# Allegro board SDHCalFEB.brd (continued)
## Routing (per net, layer and track width the routed paths; a pad name or vN(x,y) marks a point on that pad's centre or on a via; arc(x,y) is an arc through that point) (continued)
  TOP w0.127: U455.20 120.7,218.16 119.79,217.25 108.03,217.25 106.3,218.97 C554.2
ANALOGIN32_ASIC_C1: length 18.9
  TOP w0.127: C728.2 266.56,138.98 268.54,137.01 279.5,137.01 280.64,138.15 U585.20
ANALOGIN32_ASIC_C2: length 18.7
  TOP w0.127: C815.2 186.72,138.96 188.39,137.29 200.61,137.29 201.47,138.15 U650.20
ANALOGIN32_ASIC_C3: length 18.7
  TOP w0.127: C902.2 107.69,137.26 119.63,137.26 120.52,138.15 U715.20
ANALOGIN32_ASIC_D1: length 18.8
  TOP w0.127: U845.20 280.82,58.14 279.88,57.2 267.7,57.2 265.97,58.93 C1076.2
ANALOGIN32_ASIC_D2: length 18.8
  TOP w0.127: U910.20 200.73,58.14 199.72,57.12 188.67,57.12 186.82,58.97 C1163.2
ANALOGIN32_ASIC_D3: length 18.9
  TOP w0.127: C1250.2 105.97,58.94 107.86,57.05 119.96,57.05 121.06,58.14 U975.20
ANALOGIN33_ASIC_A1: length 18.7
  TOP w0.127: C33.2 265.21,296.26 265.71,296.75 282.24,296.75 282.37,296.87 U65.22
ANALOGIN33_ASIC_A2: length 18.6
  TOP w0.127: C120.2 185.81,296.25 186.31,296.75 202.51,296.75 202.64,296.87 U130.22
ANALOGIN33_ASIC_A3: length 18.5
  TOP w0.127: U195.22 107.08,296.87 106.67,296.46 C207.2
ANALOGIN33_ASIC_B1: length 20.1
  TOP w0.127: U325.22 282.6,216.86 282.6,216.86 C381.2
ANALOGIN33_ASIC_B5: length 18.6
  TOP w0.127: C468.2 185.82,216.18 186.44,216.79 201.65,216.79 201.72,216.86 U390.22
ANALOGIN33_ASIC_B6: length 18.6
  TOP w0.127: U455.22 121.51,216.86 121.36,216.71 105.57,216.71 C555.2
ANALOGIN33_ASIC_C1: length 18.7
  TOP w0.127: U585.22 280.41,136.85 280.04,136.47 266.32,136.47 266.01,136.17 C729.2
ANALOGIN33_ASIC_C2: length 18.7
  TOP w0.127: U650.22 201.24,136.85 201.09,136.7 186.66,136.7 186.13,136.17 C816.2
ANALOGIN33_ASIC_C3: length 18.6
  TOP w0.127: U715.22 120.31,136.85 120.19,136.73 105.77,136.73 C903.2
ANALOGIN33_ASIC_D1: length 18.7
  TOP w0.127: C1077.2 279.79,56.2 280.44,56.84 U845.22
ANALOGIN33_ASIC_D2: length 18.6
  TOP w0.127: C1164.2 200.1,56.18 200.76,56.84 U910.22
ANALOGIN33_ASIC_D3: length 18.6
  TOP w0.127: C1251.2 120.24,56.18 120.9,56.84 U975.22
ANALOGIN34_ASIC_A1: length 22.9
  TOP w0.127: U65.23 267.11,296.22 263.41,292.52 C34.2
ANALOGIN34_ASIC_A2: length 23
  TOP w0.127: U130.23 202.59,296.22 202.59,296.21 187.86,296.21 186.46,294.82 184.89,294.82 182.25,292.18 C121.2
ANALOGIN34_ASIC_A3: length 23
  TOP w0.127: U195.23 107.9,296.22 106.05,294.36 104.15,294.36 C208.2
ANALOGIN34_ASIC_A4: length 12.5
  TOP w0.127: C295.2 31.05,296.22 U260.23
ANALOGIN34_ASIC_B1: length 25.5
  TOP w0.127: U325.23 264.62,216.21 260.88,212.47 C382.2
ANALOGIN34_ASIC_B5: length 22.9
  TOP w0.127: U390.23 187.84,216.21 186.56,214.93 184.67,214.93 182.24,212.5 C469.2
ANALOGIN34_ASIC_B6: length 22.6
  TOP w0.127: U455.23 107.57,216.21 105.82,214.45 104.25,214.45 C556.2
ANALOGIN34_ASIC_B7: length 14.7
  TOP w0.127: U520.23 28.94,216.21 C643.2
ANALOGIN34_ASIC_C1: length 23
  TOP w0.127: U585.23 280.68,136.2 280.39,135.92 267.67,135.92 266.55,134.8 264.72,134.8 C730.2
ANALOGIN34_ASIC_C2: length 22.9
  TOP w0.127: C817.2 182.36,132.31 184.55,134.49 185.8,134.49 187.4,136.09 201.35,136.09 201.45,136.2 U650.23
ANALOGIN34_ASIC_C3: length 22.9
  TOP w0.127: U715.23 107.47,136.2 105.64,134.37 104.18,134.37 102.25,132.44 C904.2
ANALOGIN34_ASIC_C4: length 13.8
  TOP w0.127: C991.2 29.8,136.2 U780.23
ANALOGIN35_ASIC_A1: length 16.4
  TOP w0.127: C35.2 269.87,295.57 U65.24
ANALOGIN35_ASIC_A2: length 15.1
  TOP w0.127: C122.2 189.31,293.7 191.18,295.57 U130.24
ANALOGIN35_ASIC_A3: length 15.3
  TOP w0.127: U195.24 110.98,295.57 C209.2
ANALOGIN35_ASIC_B1: length 18.1
  TOP w0.127: C383.2 268.12,215.56 U325.24
ANALOGIN35_ASIC_B5: length 14.6
  TOP w0.127: U390.24 191.46,215.56 C470.2
ANALOGIN35_ASIC_B6: length 14.6
  TOP w0.127: U455.24 111.6,215.56 C557.2
ANALOGIN35_ASIC_C1: length 14.6
  TOP w0.127: C731.2 271.43,135.41 280.92,135.41 281.07,135.55 U585.24
ANALOGIN35_ASIC_C2: length 14.6
  TOP w0.127: U650.24 191.61,135.55 C818.2
ANALOGIN35_ASIC_C3: length 14.6
  TOP w0.127: C905.2 111.6,135.55 U715.24
ANALOGIN35_ASIC_D1: length 11.6
  TOP w0.127: C1079.2 272.8,53.76 274.58,55.54 U845.24
ANALOGIN35_ASIC_D2: length 12.4
  TOP w0.127: U910.24 200.88,55.54 200.55,55.22 C1166.2
ANALOGIN35_ASIC_D3: length 11.5
  TOP w0.127: U975.24 114.62,55.54 C1253.2
ANALOGIN35_ASIC_D4: length 12.6
  TOP w0.127: C1340.2 36.11,52.45 39.21,55.54 U1040.24
ANALOGIN36_ASIC_A1: length 14.4
  TOP w0.127: U65.25 274.47,294.92 271.56,292.01 C36.2
ANALOGIN36_ASIC_A2: length 15.6
  TOP w0.127: C123.2 191.4,291.96 194.36,294.92 U130.25
ANALOGIN36_ASIC_A3: length 16.2
  TOP w0.127: U195.25 113.97,294.92 111.79,292.74 111.79,290.35 111,289.56 C210.2
ANALOGIN36_ASIC_A4: length 28.2
  TOP w0.127: C297.2 33.9,294.92 U260.25
ANALOGIN36_ASIC_B1: length 17.2
  TOP w0.127: C384.2 270.05,210.49 274.47,214.91 U325.25
ANALOGIN36_ASIC_B5: length 14.2
  TOP w0.127: C471.2 191.42,211.39 194.94,214.91 U390.25
ANALOGIN36_ASIC_B6: length 14.1
  TOP w0.127: U455.25 114.96,214.91 111.48,211.43 C558.2
ANALOGIN36_ASIC_B7: length 28.8
  TOP w0.127: C645.2 21.28,199.21 36.97,214.91 U520.25
ANALOGIN36_ASIC_C1: length 14.1
  TOP w0.127: U585.25 275.08,134.9 271.63,131.45 C732.2
ANALOGIN36_ASIC_C2: length 14.2
  TOP w0.127: C819.2 191.47,131.37 195,134.9 U650.25
ANALOGIN36_ASIC_C3: length 14.3
  TOP w0.127: U715.25 114.86,134.9 111.48,131.53 C906.2
ANALOGIN36_ASIC_C4: length 28
  TOP w0.127: U780.25 36.97,134.9 21.89,119.81 C993.2
ANALOGIN37_ASIC_A1: length 48.4
  TOP w0.127: v2(285.83,294.27) U65.26 ; v2(330.28,295.21) C37.2
  GND1 w0.127: v2(285.83,294.27) v3(286.56,294.27) ; v2(330.28,295.21) v3(329.54,295.21)
  SIG3 w0.127: v3(329.54,295.21) 320.23,295.21 319.74,295.71 315.77,295.71 314.81,294.74 287.03,294.74 v3(286.56,294.27)
ANALOGIN37_ASIC_A2: length 52.2
  TOP w0.127: C124.2 v2(251.14,296.55) ; v2(204.76,294.27) U130.26
  GND1 w0.127: v3(205.5,294.27) v2(204.76,294.27) ; v2(251.14,296.55) v3(251.14,297.28)
  SIG3 w0.127: v3(205.5,294.27) 209.45,298.22 233.32,298.22 233.93,298.83 249.59,298.83 v3(251.14,297.28)
ANALOGIN37_ASIC_A3: length 49.4
  TOP w0.127: C211.2 170.68,298.09 v2(169.7,298.09) ; v2(124.75,294.27) U195.26
  GND1 w0.127: v2(169.7,298.09) v3(168.96,298.09) ; v2(124.75,294.27) v3(125.49,294.27)
  SIG3 w0.127: v3(168.96,298.09) 168.17,298.88 154.66,298.88 154.03,298.25 129.47,298.25 v3(125.49,294.27)
ANALOGIN37_ASIC_A4: length 50.6
  TOP w0.127: C298.2 v2(90.61,293.71) ; v2(44.74,294.27) U260.26
  GND1 w0.127: v2(90.61,293.71) v3(89.88,293.71) ; v3(45.48,294.27) v2(44.74,294.27)
  SIG3 w0.127: v3(89.88,293.71) 86.49,297.1 76.58,297.1 75.23,295.76 46.97,295.76 v3(45.48,294.27)
ANALOGIN37_ASIC_B1: length 48.1
  TOP w0.127: v2(328.75,216.71) 329.7,216.71 C385.2 ; v2(284.84,214.26) U325.26
  GND1 w0.127: v2(328.75,216.71) v3(328.02,216.71) ; v2(284.84,214.26) v3(285.57,214.26)
  SIG3 w0.127: v3(285.57,214.26) 288.61,217.3 315.62,217.3 316.78,216.13 327.44,216.13 v3(328.02,216.71)
ANALOGIN37_ASIC_B5: length 54.1
  TOP w0.127: C472.2 v2(253.72,217.14) ; v2(204.76,214.26) U390.26
  GND1 w0.127: v3(205.5,214.26) v2(204.76,214.26) ; v2(253.72,217.14) v3(253.72,217.91)
  SIG3 w0.127: v3(253.72,217.91) 252.94,218.69 241.02,218.69 240.56,218.24 209.48,218.24 v3(205.5,214.26)
ANALOGIN37_ASIC_B6: length 52.4
  TOP w0.127: v2(124.75,214.26) U455.26 ; C559.2 v2(173.71,214.15)
  GND1 w0.127: v2(173.71,214.15) v3(172.97,214.15) ; v3(125.49,214.26) v2(124.75,214.26)
  SIG3 w0.127: v3(172.97,214.15) 171.4,215.72 152.86,215.72 151.39,214.26 v3(125.49,214.26)
ANALOGIN37_ASIC_B7: length 54.1
  TOP w0.127: C646.2 v2(93.14,218.64) ; v2(44.74,214.26) U520.26
  GND1 w0.127: v2(93.14,218.64) v3(93.14,217.91) ; v3(45.48,214.26) v2(44.74,214.26)
  SIG3 w0.127: v3(45.48,214.26) 50.68,219.46 91.59,219.46 v3(93.14,217.91)
ANALOGIN37_ASIC_C1: length 46.3
  TOP w0.127: C733.2 v2(328.1,136.17) ; v2(284.78,134.25) U585.26
  GND1 w0.127: v2(328.1,136.17) v3(327.36,136.17) ; v3(285.51,134.25) v2(284.78,134.25)
  SIG3 w0.127: v3(327.36,136.17) 327.23,136.04 313.82,136.04 312.02,134.25 v3(285.51,134.25)
ANALOGIN37_ASIC_C2: length 52.2
  TOP w0.127: v2(204.76,134.25) U650.26 ; C820.2 v2(251.92,138.1)
  GND1 w0.127: v2(204.76,134.25) v3(205.5,134.25) ; v2(251.92,138.1) v3(251.18,138.1)
  SIG3 w0.127: v3(251.18,138.1) 249.87,139.42 210.67,139.42 v3(205.5,134.25)
ANALOGIN37_ASIC_C3: length 52.3
  TOP w0.127: v2(124.75,134.25) U715.26 ; C907.2 v2(172.09,137.9)
  GND1 w0.127: v3(125.49,134.25) v2(124.75,134.25) ; v2(172.09,137.9) v3(171.17,137.9)
  SIG3 w0.127: v3(171.17,137.9) 169.63,139.45 130.69,139.45 v3(125.49,134.25)
ANALOGIN37_ASIC_C4: length 51.9
  TOP w0.127: C994.2 v2(90.65,133.71) ; v2(44.74,134.25) U780.26
  GND1 w0.127: v3(45.48,134.25) v2(44.74,134.25) ; v2(90.65,133.71) v3(90.13,134.23)
  SIG3 w0.127: v3(90.13,134.23) 85.78,138.58 76.43,138.58 75.95,138.1 49.33,138.1 v3(45.48,134.25)
ANALOGIN38_ASIC_A1: length 43.5
  TOP w0.127: v2(320.5,294.02) C38.2 ; U65.27 v2(282.41,293.62)
  GND1 w0.127: v2(320.5,294.02) v3(320.5,293.28) ; v3(281.67,293.62) v2(282.41,293.62)
  SIG3 w0.127: v3(281.67,293.62) 304.32,293.62 305.79,292.15 311.71,292.15 312.84,293.28 v3(320.5,293.28)
ANALOGIN38_ASIC_A2: length 43.4
  TOP w0.127: v2(202.4,293.62) U130.27 ; C125.2 v2(240.49,293.95)
  GND1 w0.127: v2(202.4,293.62) v3(203.14,293.62) ; v2(240.49,293.95) 240.66,293.78 240.85,293.78 240.88,293.75 v3(241.13,293.75)
  SIG3 w0.127: v3(241.13,293.75) 240.27,294.61 237.11,294.61 235.86,295.86 222.35,295.86 220.11,293.62 v3(203.14,293.62)
ANALOGIN38_ASIC_A3: length 43.5
  TOP w0.127: C212.2 v2(160.43,298.08) ; v2(122.39,293.62) U195.27
  GND1 w0.127: v2(122.39,293.62) v3(121.65,293.62) ; v2(160.43,298.08) v3(159.69,298.08)
  SIG3 w0.127: v3(121.65,293.62) 128.01,293.62 130.3,295.91 154.66,295.91 156.83,298.08 v3(159.69,298.08)
ANALOGIN38_ASIC_A4: length 43.2
  TOP w0.127: v2(42.32,293.62) U260.27 ; C299.2 v2(80.68,293.67)
  GND1 w0.127: v2(42.32,293.62) v3(41.58,293.62) ; v2(80.68,293.67) v3(80.68,294.41)
  SIG3 w0.127: v3(80.68,294.41) 75.97,294.41 75.03,293.47 73.33,293.47 73.18,293.62 v3(41.58,293.62)
ANALOGIN38_ASIC_B1: length 43.1
  TOP w0.127: v2(282.41,213.61) 283.59,213.61 U325.27 ; C386.2 v2(319.2,215.06)
  GND1 w0.127: v2(319.2,215.06) v3(319.94,215.06) ; v2(282.41,213.61) v3(281.68,213.61)
  SIG3 w0.127: v3(319.94,215.06) 319.36,215.64 316.73,215.64 315.9,214.81 288.85,214.81 287.65,213.61 v3(281.68,213.61)
ANALOGIN38_ASIC_B5: length 50.8
  TOP w0.127: v2(202.4,213.61) U390.27 ; C473.2 v2(246.16,217.12)
  GND1 w0.127: v2(246.16,217.12) v3(246.16,217.86) ; v2(202.4,213.61) v3(201.66,213.61)
  SIG3 w0.127: v3(246.16,217.86) 244.17,215.87 233.6,215.87 231.34,213.61 v3(201.66,213.61)
ANALOGIN38_ASIC_B6: length 46.2
  TOP w0.127: v2(122.39,213.61) U455.27 ; C560.2 v2(163.65,214.15)
  GND1 w0.127: v2(163.65,214.15) v3(162.92,214.15) ; v2(122.39,213.61) v3(121.65,213.61)
  SIG3 w0.127: v3(162.92,214.15) 161.84,213.08 157.15,213.08 155.85,214.38 152.48,214.38 151.71,213.61 v3(121.65,213.61)
ANALOGIN38_ASIC_B7: length 44.6
  TOP w0.127: C647.2 v2(83.03,218.01) ; v2(42.38,213.61) U520.27
  GND1 w0.127: v2(42.38,213.61) v3(43.12,213.61) ; v2(83.03,218.01) v3(82.3,218.01)
  SIG3 w0.127: v3(82.3,218.01) 80.24,215.95 74.96,215.95 72.61,213.61 v3(43.12,213.61)
ANALOGIN38_ASIC_C1: length 42.5
  TOP w0.127: v2(282.41,133.6) U585.27 ; C734.2 v2(320.62,133.71)
  GND1 w0.127: v3(283.15,133.6) v2(282.41,133.6) ; v2(320.62,133.71) 320.89,133.44 320.89,133.32 321.02,133.19 v3(321.15,133.19)
  SIG3 w0.127: v3(283.15,133.6) 312.85,133.6 313.64,134.39 315.47,134.39 316.67,133.19 v3(321.15,133.19)
ANALOGIN38_ASIC_C2: length 43.6
  TOP w0.127: C821.2 v2(240.16,138.08) ; v2(202.4,133.6) U650.27
  GND1 w0.127: v2(240.16,138.08) v3(239.32,138.08) ; v2(202.4,133.6) v3(201.67,133.6)
  SIG3 w0.127: v3(239.32,138.08) 238.95,138.46 235.2,138.46 234.29,137.54 213.54,137.54 209.6,133.6 v3(201.67,133.6)
ANALOGIN38_ASIC_C3: length 43.5
  TOP w0.127: C908.2 v2(160.2,137.9) ; v2(122.39,133.6) U715.27
  GND1 w0.127: v3(121.66,133.6) v2(122.39,133.6) ; v2(160.2,137.9) v3(159.46,137.9)
  SIG3 w0.127: v3(121.66,133.6) 147.62,133.6 152.25,138.23 158.59,138.23 158.92,137.9 v3(159.46,137.9)
ANALOGIN38_ASIC_C4: length 45.9
  TOP w0.127: v2(42.38,133.6) U780.27 ; C995.2 83.08,134.22 v2(83.09,134.22)
  GND1 w0.127: v3(82.35,134.21) 82.37,134.21 82.38,134.22 v2(83.09,134.22) ; v3(41.65,133.6) v2(42.38,133.6)
  SIG3 w0.127: v3(82.35,134.21) 80.83,135.74 72.95,135.74 70.81,133.6 v3(41.65,133.6)
ANALOGIN39_ASIC_A1: length 43.9
  TOP w0.127: C39.2 v2(324.71,288.58) ; v2(284.77,292.97) U65.28
  GND1 w0.127: v2(284.77,292.97) v3(285.52,292.97) ; v2(324.71,288.58) v3(323.98,288.58)
  SIG3 w0.127: v3(285.52,292.97) 303.37,292.97 304.95,291.39 312.67,291.39 313.61,290.45 322.11,290.45 v3(323.98,288.58)
ANALOGIN39_ASIC_A2: length 46.2
  TOP w0.127: C126.2 v2(246.09,292.95) ; v2(204.76,292.97) U130.28
  GND1 w0.127: v2(246.09,292.95) v3(246.09,292.11) ; v3(204.03,292.97) v2(204.76,292.97)
  SIG3 w0.127: v3(246.09,292.11) 237.5,292.11 236.65,292.97 v3(204.03,292.97)
ANALOGIN39_ASIC_A3: length 55.6
  TOP w0.127: v2(124.75,292.97) U195.28 ; C213.2 v2(173.23,292.19)
  GND1 w0.127: v2(173.23,292.19) v3(173.96,292.19) ; v3(124.02,292.97) v2(124.75,292.97)
  SIG3 w0.127: v3(124.02,292.97) 154.51,292.97 155.89,294.35 171.81,294.35 v3(173.96,292.19)
ANALOGIN39_ASIC_A4: length 45.6
  TOP w0.127: v2(44.75,292.97) U260.28 ; C300.2 v2(85.51,293.81)
  GND1 w0.127: v2(85.51,293.81) v3(84.75,293.81) ; v2(44.75,292.97) v3(44.02,292.97)
  SIG3 w0.127: v3(84.75,293.81) 83.13,292.2 75.79,292.2 75.02,292.97 v3(44.02,292.97)
ANALOGIN39_ASIC_B1: length 43.2
  TOP w0.127: C387.2 v2(322.61,210.49) ; v2(284.77,212.96) U325.28
  GND1 w0.127: v2(284.77,212.96) v3(284.04,212.96) ; v2(322.61,210.49) v3(321.87,210.49)
  SIG3 w0.127: v3(284.04,212.96) 288.93,212.96 289.79,213.82 311.48,213.82 313.64,211.66 319.15,211.66 320.32,210.49 v3(321.87,210.49)
ANALOGIN39_ASIC_B5: length 50.9
  TOP w0.127: v2(204.76,212.96) U390.28 ; C474.2 v2(250.09,210.92)
  GND1 w0.127: v2(204.76,212.96) v3(204.03,212.96) ; v2(250.09,210.92) v3(250.09,211.66)
  SIG3 w0.127: v3(250.09,211.66) 248.67,213.08 235.81,213.08 234.97,212.23 232.95,212.23 232.23,212.96 v3(204.03,212.96)
ANALOGIN39_ASIC_B6: length 47.7
  TOP w0.127: v2(124.75,212.96) U455.28 ; C561.2 v2(167.13,210.85)
  GND1 w0.127: v2(124.75,212.96) v3(124.02,212.96) ; v3(166.4,210.85) v2(167.13,210.85)
  SIG3 w0.127: v3(124.02,212.96) 145.64,212.96 147.52,211.07 153.29,211.07 153.97,210.39 165.94,210.39 v3(166.4,210.85)
ANALOGIN39_ASIC_B7: length 48.1
  TOP w0.127: C648.2 v2(89.74,212.55) ; v2(46.25,212.96) U520.28
  GND1 w0.127: v2(89.74,212.55) v3(89,212.55) ; v2(46.25,212.96) v3(46.99,212.96)
  SIG3 w0.127: v3(89,212.55) 85.8,212.55 84.83,211.58 65.23,211.58 63.85,212.96 v3(46.99,212.96)
ANALOGIN39_ASIC_C1: length 43.2
  TOP w0.127: C735.2 v2(324.51,130.08) ; v2(286.18,132.95) U585.28
  GND1 w0.127: v2(324.51,130.08) 324,130.59 v3(323.99,130.59) ; v3(286.92,132.95) v2(286.18,132.95)
  SIG3 w0.127: v3(323.99,130.59) 320.38,130.59 319.3,131.67 313.99,131.67 312.72,132.95 v3(286.92,132.95)
ANALOGIN39_ASIC_C2: length 48.4
  TOP w0.127: C822.2 v2(249.5,132.33) ; v2(206.27,132.95) U650.28
  GND1 w0.127: v2(206.27,132.95) v3(207.01,132.95) ; v2(249.5,132.33) v3(248.76,132.33)
  SIG3 w0.127: v3(248.76,132.33) 248,133.1 236.51,133.1 235.14,134.47 230.43,134.47 228.91,132.95 v3(207.01,132.95)
ANALOGIN39_ASIC_C3: length 48.4
  TOP w0.127: C909.2 v2(169.49,132.38) ; v2(126.72,132.95) U715.28
  GND1 w0.127: v2(169.49,132.38) v3(168.76,132.38) ; v3(127.46,132.95) v2(126.72,132.95)
  SIG3 w0.127: v3(168.76,132.38) 167.84,133.3 155.65,133.3 154.43,134.52 152.02,134.52 150.45,132.95 v3(127.46,132.95)
ANALOGIN39_ASIC_C4: length 50.8
  TOP w0.127: C996.2 v2(91.24,131.63) ; v2(45.9,132.95) U780.28
  GND1 w0.127: v3(46.63,132.95) v2(45.9,132.95) ; v3(90.5,131.63) v2(91.24,131.63)
  SIG3 w0.127: v3(46.63,132.95) 71.28,132.95 72.69,134.37 75.72,134.37 77.24,132.84 89.29,132.84 v3(90.5,131.63)
ANALOGIN40_ASIC_A1: length 5.7
  TOP w0.127: U65.29 282.25,292.32 281.2,293.37 C40.2
ANALOGIN40_ASIC_A2: length 6
  TOP w0.127: C127.2 201.38,293.08 202.14,292.32 U130.29
ANALOGIN40_ASIC_A3: length 6.5
  TOP w0.127: C214.2 121.22,293.38 122.28,292.32 U195.29
ANALOGIN40_ASIC_A4: length 24.3
  TOP w0.127: C301.2 33.91,292.32 U260.29
ANALOGIN40_ASIC_B1: length 5.6
  TOP w0.127: C388.2 280.24,213.81 281.75,212.31 U325.29
ANALOGIN40_ASIC_B5: length 5.8
  TOP w0.127: U390.29 203.58,212.31 202.65,212.31 201.5,213.46 C475.2
ANALOGIN40_ASIC_B6: length 5.5
  TOP w0.127: C562.2 120.81,213.66 122.16,212.31 123.57,212.31 U455.29
ANALOGIN40_ASIC_B7: length 24.9
  TOP w0.127: U520.29 42.57,212.31 42.56,212.32 37.28,212.32 24.15,199.19 C649.2
ANALOGIN40_ASIC_C1: length 5.3
  TOP w0.127: U585.29 282.33,132.3 281.31,133.32 C736.2
ANALOGIN40_ASIC_C2: length 5.6
  TOP w0.127: U650.29 202.02,132.3 201.17,133.14 C823.2
ANALOGIN40_ASIC_C3: length 5.7
  TOP w0.127: U715.29 121.95,132.3 120.76,133.5 C910.2
ANALOGIN40_ASIC_C4: length 24.3
  TOP w0.127: U780.29 42.57,132.3 42.56,132.31 37.02,132.31 24.53,119.81 C997.2
ANALOGIN40_ASIC_D1: length 5.3
  TOP w0.127: U845.29 282.08,52.29 280.65,53.72 C1084.2
ANALOGIN40_ASIC_D2: length 6
  TOP w0.127: C1171.2 200.71,54 202.42,52.29 U910.29
ANALOGIN40_ASIC_D3: length 5.1
  TOP w0.127: C1258.2 121.01,53.36 122.08,52.29 U975.29
ANALOGIN41_ASIC_A1: length 21.9
  TOP w0.127: U65.30 281.43,291.67 275.51,285.74 C41.2
ANALOGIN41_ASIC_A2: length 22.6
  TOP w0.127: U130.30 201.4,291.67 194.59,284.86 185.85,284.86 184.87,285.84 C128.2
ANALOGIN41_ASIC_A3: length 20
  TOP w0.127: C215.2 114.85,285.2 121.31,291.67 U195.30
ANALOGIN41_ASIC_B1: length 25
  TOP w0.127: U325.30 281.1,211.66 276.89,207.44 268.43,207.44 266.21,205.23 C389.2
ANALOGIN41_ASIC_B5: length 20.6
  TOP w0.127: C476.2 195.86,206.17 201.35,211.66 203.58,211.66 U390.30
ANALOGIN41_ASIC_B6: length 20.6
  TOP w0.127: C563.2 115.85,206.19 121.31,211.66 123.57,211.66 U455.30
ANALOGIN41_ASIC_C1: length 20.6
  TOP w0.127: U585.30 281.48,131.65 275.99,126.16 C737.2
ANALOGIN41_ASIC_C2: length 20.6
  TOP w0.127: U650.30 201.35,131.65 195.86,126.16 C824.2
ANALOGIN41_ASIC_C3: length 20.6
  TOP w0.127: C911.2 115.64,126.13 121.16,131.65 U715.30
ANALOGIN41_ASIC_D1: length 21.5
  TOP w0.127: C1085.2 278.18,47.65 282.17,51.64 U845.30
ANALOGIN41_ASIC_D2: length 20.6
  TOP w0.127: U910.30 202.26,51.64 196.77,46.15 C1172.2
ANALOGIN41_ASIC_D3: length 20.6
  TOP w0.127: U975.30 122.45,51.64 116.96,46.15 C1259.2
ANALOGIN42_ASIC_A1: length 22.9
  TOP w0.127: C42.2 264.23,283.93 265.46,285.17 275.92,285.17 281.77,291.02 U65.31
ANALOGIN42_ASIC_A2: length 23.3
  TOP w0.127: C129.2 183.62,282.98 184.81,284.18 194.74,284.18 201.59,291.02 U130.31
ANALOGIN42_ASIC_A3: length 27.3
  TOP w0.127: U195.31 121.6,291.02 114.71,284.12 108,284.12 105.33,281.46 C216.2
ANALOGIN42_ASIC_A4: length 19.3
  TOP w0.127: U260.31 38.62,291.02 29.58,281.98 C303.2
ANALOGIN42_ASIC_B1: length 20.9
  TOP w0.127: C390.2 268.86,206.86 277.16,206.86 281.32,211.01 U325.31
ANALOGIN42_ASIC_B5: length 26.1
  TOP w0.127: C477.2 182.33,200.84 186.54,205.05 195.58,205.05 201.53,211.01 U390.31
ANALOGIN42_ASIC_B6: length 26.3
  TOP w0.127: C564.2 105.8,205.1 115.67,205.1 121.58,211.01 U455.31
ANALOGIN42_ASIC_B7: length 21.1
  TOP w0.127: C651.2 30.26,201.71 39.56,211.01 U520.31
ANALOGIN42_ASIC_C1: length 26.3
  TOP w0.127: U585.31 281.7,131 276.1,125.4 266.69,125.4 262.2,120.9 C738.2
ANALOGIN42_ASIC_C2: length 26.7
  TOP w0.127: C825.2 181.72,120.83 186.47,125.58 196.22,125.58 201.64,131 U650.31
ANALOGIN42_ASIC_C3: length 26.5
  TOP w0.127: C912.2 105.11,124.49 114.94,124.49 121.45,131 U715.31
ANALOGIN42_ASIC_C4: length 19.6
  TOP w0.127: C999.2 29.8,119.21 41.59,131 U780.31
ANALOGIN43_ASIC_A1: length 28.1
  TOP w0.127: U65.32 282.04,290.37 276.17,284.51 266.88,284.51 265.21,282.84 C43.2
ANALOGIN43_ASIC_A2: length 27.7
  TOP w0.127: C130.2 185.18,282.03 186.69,283.54 195.05,283.54 201.88,290.37 U130.32
ANALOGIN43_ASIC_A3: length 26.5
  TOP w0.127: C217.2 106.15,277.13 106.15,280.97 108.56,283.39 114.91,283.39 121.89,290.37 U195.32
ANALOGIN43_ASIC_B1: length 26.9
  TOP w0.127: C391.2 267.13,203.94 269.52,206.32 277.52,206.32 281.56,210.36 U325.32
ANALOGIN43_ASIC_B5: length 29.5
  TOP w0.127: U390.32 201.67,210.36 195.5,204.19 187.32,204.19 183.19,200.05 C478.2
ANALOGIN43_ASIC_B6: length 29.8
  TOP w0.127: C565.2 103.23,200.71 106.63,204.11 115.62,204.11 121.87,210.36 U455.32
ANALOGIN43_ASIC_C1: length 29.8
  TOP w0.127: C739.2 263.2,120.63 266.67,124.1 275.67,124.1 281.91,130.35 U585.32
ANALOGIN43_ASIC_C2: length 30.2
  TOP w0.127: U650.32 201.9,130.35 196.55,124.99 186.97,124.99 183.19,121.21 C826.2
ANALOGIN43_ASIC_C3: length 29.9
  TOP w0.127: U715.32 121.79,130.35 115.16,123.72 106.17,123.72 103.18,120.73 C913.2
ANALOGIN44_ASIC_A1: length 16
  TOP w0.127: C44.2 275.39,282.93 282.18,289.72 U65.33
ANALOGIN44_ASIC_A2: length 15.5
  TOP w0.127: U130.33 202.12,289.72 194.6,282.21 C131.2
ANALOGIN44_ASIC_A3: length 15.5
  TOP w0.127: U195.33 122.05,289.72 114.52,282.18 C218.2
ANALOGIN44_ASIC_B1: length 14.2
  TOP w0.127: U325.33 281.87,209.71 277.42,205.26 C392.2
ANALOGIN44_ASIC_B5: length 15.8
  TOP w0.127: C479.2 194.08,202 201.78,209.71 U390.33
ANALOGIN44_ASIC_B6: length 15.4
  TOP w0.127: U455.33 122.08,209.71 114.6,202.23 C566.2
ANALOGIN44_ASIC_C1: length 15.5
  TOP w0.127: C740.2 274.62,122.22 282.1,129.7 U585.33
ANALOGIN44_ASIC_C2: length 15.4
  TOP w0.127: U650.33 202.14,129.7 194.66,122.22 C827.2
ANALOGIN44_ASIC_C3: length 15.4
  TOP w0.127: U715.33 122.03,129.7 114.55,122.22 C914.2
ANALOGIN44_ASIC_D1: length 14.2
  TOP w0.127: U845.33 281.82,49.69 277.34,45.21 C1088.2
ANALOGIN44_ASIC_D2: length 13.2
  TOP w0.127: U910.33 202.5,49.69 196.52,43.71 C1175.2
ANALOGIN44_ASIC_D3: length 13.2
  TOP w0.127: C1262.2 116.33,43.71 122.31,49.69 U975.33
ANALOGIN45_ASIC_A1: length 14.9
  TOP w0.127: U65.34 282.42,289.07 273.9,280.55 C45.2
ANALOGIN45_ASIC_A2: length 13.1
  TOP w0.127: U130.34 202.43,289.07 195.24,281.88 C132.2
ANALOGIN45_ASIC_A3: length 15.2
  TOP w0.127: C219.2 114.41,281.19 122.29,289.07 U195.34
ANALOGIN45_ASIC_A4: length 14.4
  TOP w0.127: U260.34 39.86,289.07 C306.2
ANALOGIN45_ASIC_B1: length 13.2
  TOP w0.127: C393.2 274.65,201.47 282.24,209.06 U325.34
ANALOGIN45_ASIC_B5: length 14.6
  TOP w0.127: U390.34 202,209.06 194.24,201.3 C480.2
ANALOGIN45_ASIC_B6: length 14.2
  TOP w0.127: C567.2 114.02,200.77 122.32,209.06 U455.34
ANALOGIN45_ASIC_B7: length 15.2
  TOP w0.127: C654.2 32.77,199.47 42.36,209.06 U520.34
ANALOGIN45_ASIC_C1: length 14
  TOP w0.127: C741.2 273.74,120.48 282.31,129.05 U585.34
ANALOGIN45_ASIC_C2: length 14.3
  TOP w0.127: U650.34 202.3,129.05 194.09,120.83 C828.2
ANALOGIN45_ASIC_C3: length 14.1
  TOP w0.127: C915.2 114.28,121.03 122.29,129.05 U715.34
ANALOGIN45_ASIC_C4: length 15.1
  TOP w0.127: U780.34 42.15,129.05 32.48,119.38 C1002.2
ANALOGIN46_ASIC_A1: length 19.3
  TOP w0.127: C46.2 275.48,281.22 282.68,288.42 U65.35
ANALOGIN46_ASIC_A2: length 15.6
  TOP w0.127: U130.35 202.75,288.42 196.94,282.61 C133.2
ANALOGIN46_ASIC_A3: length 19.8
  TOP w0.127: C220.2 116.22,282.08 122.56,288.42 U195.35
ANALOGIN46_ASIC_B1: length 20.9
  TOP w0.127: C394.2 274.6,195.22 275.67,196.29 275.67,201.5 282.58,208.41 U325.35
ANALOGIN46_ASIC_B5: length 19.5
  TOP w0.127: C481.2 195.46,201.53 202.34,208.41 U390.35
ANALOGIN46_ASIC_B6: length 19.4
  TOP w0.127: U455.35 122.58,208.41 115.47,201.3 C568.2
ANALOGIN46_ASIC_C1: length 19.4
  TOP w0.127: C742.2 275.49,121.34 282.55,128.4 U585.35
ANALOGIN46_ASIC_C2: length 19.4
  TOP w0.127: U650.35 202.59,128.4 195.46,121.26 C829.2
ANALOGIN46_ASIC_C3: length 19.3
  TOP w0.127: C916.2 115.45,121.26 122.58,128.4 U715.35
ANALOGIN47_ASIC_A1: length 46.8
  TOP w0.127: v2(284.77,287.77) U65.36 ; C47.2 v2(328.02,286.11)
  GND1 w0.127: v3(285.51,287.77) v2(284.77,287.77) ; v2(328.02,286.11) v3(327.24,286.11)
  SIG3 w0.127: v3(285.51,287.77) 297.14,287.77 297.87,287.04 313,287.04 313.72,287.76 321.39,287.76 323.03,286.11 v3(327.24,286.11)
ANALOGIN47_ASIC_A2: length 48.3
  TOP w0.127: C134.2 v2(249.89,286.49) ; v2(204.83,287.77) U130.36
  GND1 w0.127: v2(204.83,287.77) v3(205.56,287.77) ; v2(249.89,286.49) v3(249.89,287.17)
  SIG3 w0.127: v3(249.89,287.17) 235.56,287.17 234.96,287.77 v3(205.56,287.77)
ANALOGIN47_ASIC_A3: length 46.8
  TOP w0.127: v2(124.75,287.77) U195.36 ; C221.2 v2(168.03,286.09)
  GND1 w0.127: v2(168.03,286.09) v3(167.3,286.09) ; v3(125.49,287.77) v2(124.75,287.77)
  SIG3 w0.127: v3(167.3,286.09) 165.61,287.78 154.33,287.78 153.7,287.15 151.66,287.15 151.04,287.77 v3(125.49,287.77)
ANALOGIN47_ASIC_A4: length 48.3
  TOP w0.127: v2(44.74,287.77) U260.36 ; C308.2 v2(87.66,283.74)
  GND1 w0.127: v3(45.48,287.77) v2(44.74,287.77) ; v2(87.66,283.74) v3(87.66,283.01)
  SIG3 w0.127: v3(45.48,287.77) 46.13,288.42 73.33,288.42 73.98,287.77 82.89,287.77 v3(87.66,283.01)
ANALOGIN47_ASIC_B1: length 47.2
  TOP w0.127: v2(284.77,207.76) U325.36 ; C395.2 v2(328.17,206.2)
  GND1 w0.127: v2(328.17,206.2) v3(327.43,206.2) ; v3(285.51,207.76) v2(284.77,207.76)
  SIG3 w0.127: v3(285.51,207.76) 286.18,208.43 314.78,208.43 315.33,208.98 318.25,208.98 319.05,208.18 325.45,208.18 v3(327.43,206.2)
